# Altium PCB FC_Rev1.0.PcbDoc (continued)
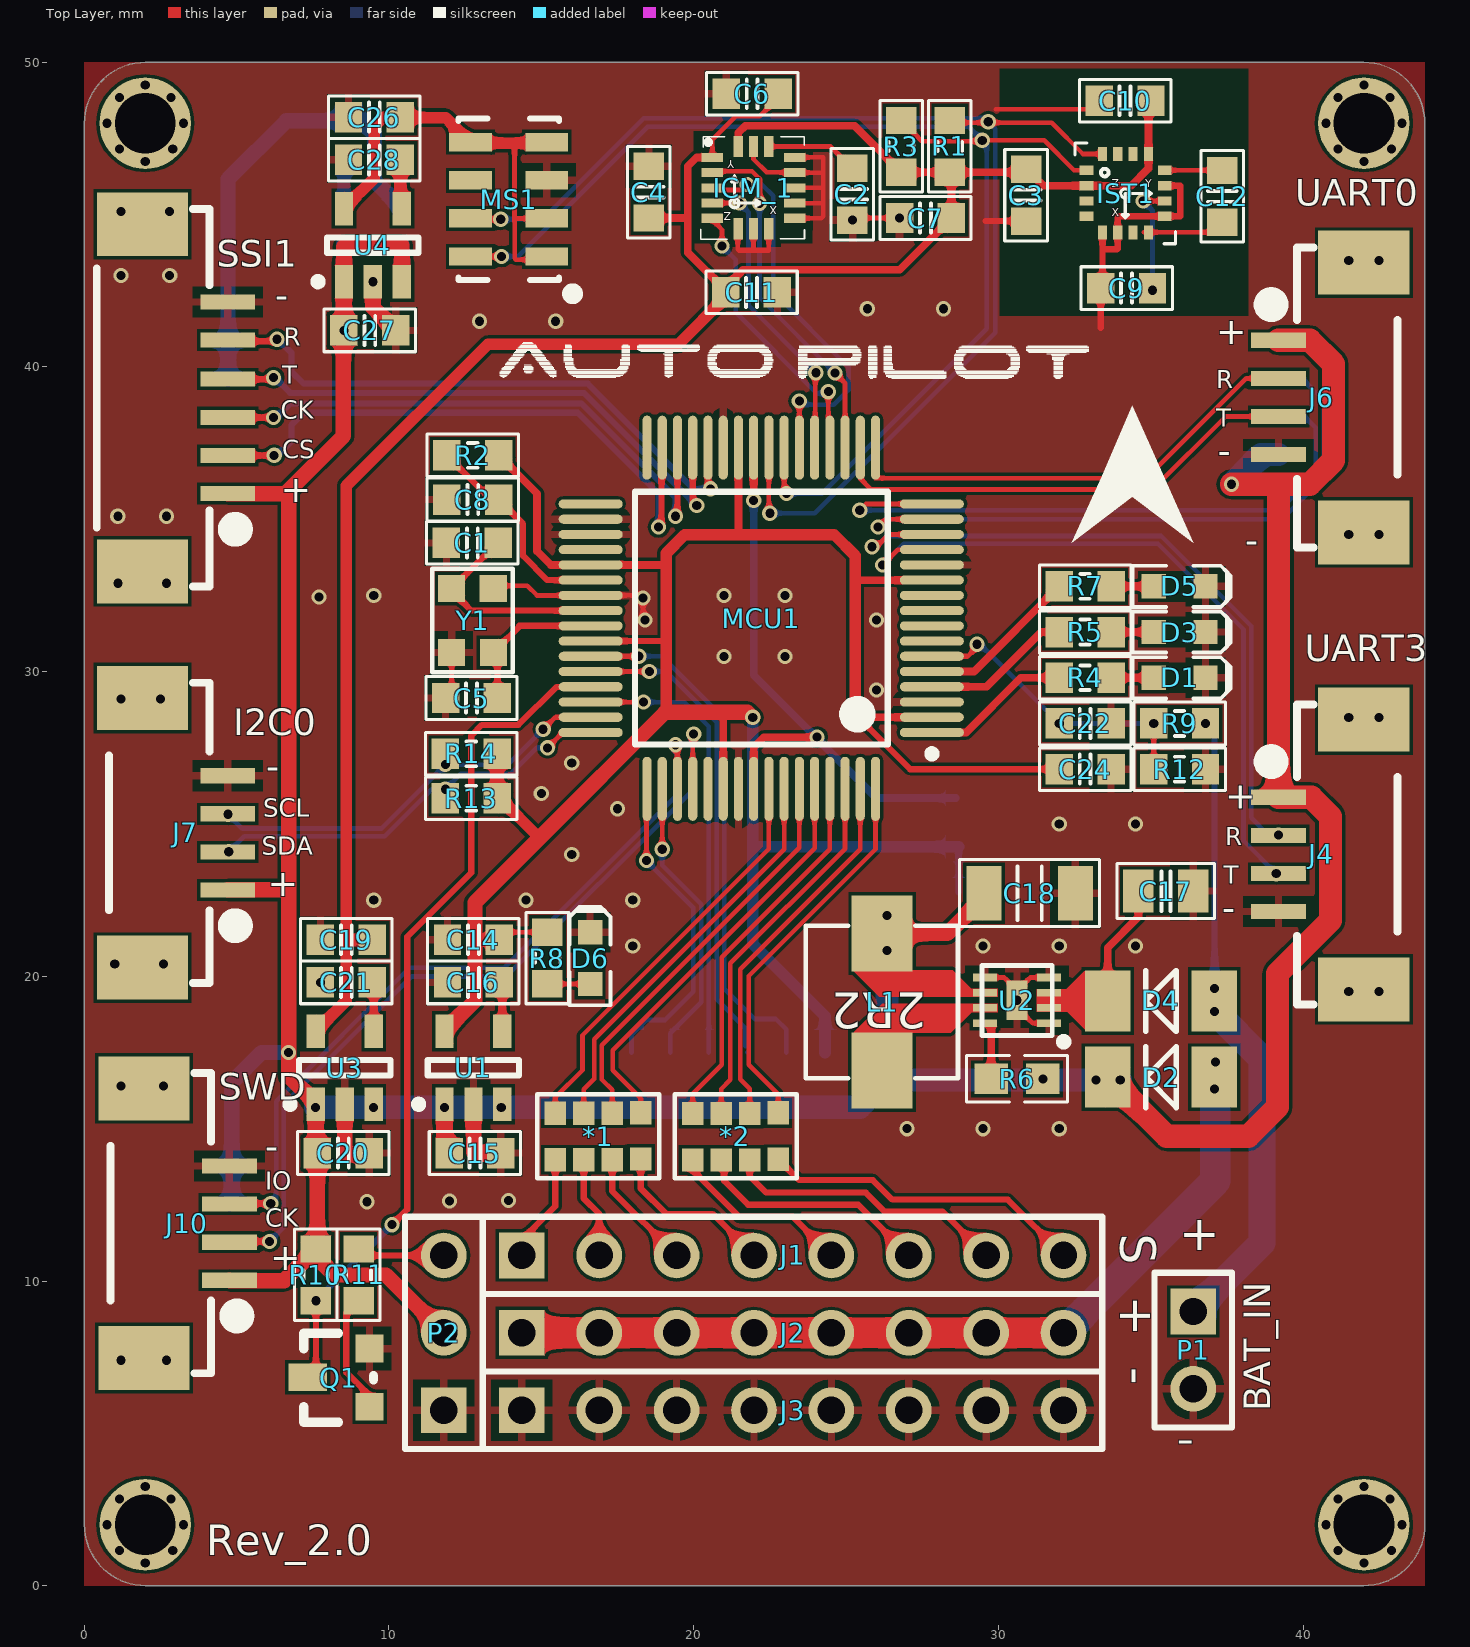
[diagram p0: Top Layer view]
## Footprints (in the part's own frame and the unit in brackets; to place one, negate y for a bottom-side part, rotate by r counter-clockwise, add the part's x,y. Pads: shape width x height; smd on the part's side, far side on the other; paste and mask are expansions set on the pad) (continued)
LGA16 [mm]
  rect 0.7x0.3 smd: 1(-1.397,0.93) 2(-1.397,0.43) 3(-1.397,-0.07) 4(-1.397,-0.57) 5(-1.397,-1.07) 9(1.303,-1.07) 10(1.303,-0.57) 11(1.303,-0.07) 12(1.303,0.43) 13(1.303,0.93)
  rect 0.3x0.7 smd: 6(-0.547,-1.415) 7(-0.047,-1.415) 8(0.453,-1.415) 14(0.453,1.285) 15(-0.047,1.285) 16(-0.547,1.285)
  silkscreen extent -1.77,-1.75 1.63,1.61, body extent -1.41,-1.41 1.29,1.28, height 1
LQFP64 [mm]
  oval 2.1x0.3 smd: 1(-5.219,3.496) 2(-5.219,2.996) 3(-5.219,2.496) 4(-5.219,1.996) 5(-5.219,1.496) 6(-5.219,0.996) 7(-5.219,0.496) 8(-5.219,-0.004) 9(-5.219,-0.504) 10(-5.219,-1.004) 11(-5.219,-1.504) 12(-5.219,-2.004) 13(-5.219,-2.504) 14(-5.219,-3.004) 15(-5.219,-3.504) 16(-5.219,-4.004) 33(5.981,-4.004) 34(5.981,-3.504) 35(5.981,-3.004) 36(5.981,-2.504) 37(5.981,-2.004) 38(5.981,-1.504) 39(5.981,-1.004) 40(5.981,-0.504) 41(5.981,-0.004) 42(5.981,0.496) 43(5.981,0.996) 44(5.981,1.496) 45(5.981,1.996) 46(5.981,2.496) 47(5.981,2.996) 48(5.981,3.496)
  oval 0.3x2.1 smd: 17(-3.369,-5.854) 18(-2.869,-5.854) 19(-2.369,-5.854) 20(-1.869,-5.854) 21(-1.369,-5.854) 22(-0.869,-5.854) 23(-0.369,-5.854) 24(0.131,-5.854) 25(0.631,-5.854) 26(1.131,-5.854) 27(1.631,-5.854) 28(2.131,-5.854) 29(2.631,-5.854) 30(3.131,-5.854) 31(3.631,-5.854) 32(4.131,-5.854) 49(4.131,5.346) 50(3.631,5.346) 51(3.131,5.346) 52(2.631,5.346) 53(2.131,5.346) 54(1.631,5.346) 55(1.131,5.346) 56(0.631,5.346) 57(0.131,5.346) 58(-0.369,5.346) 59(-0.869,5.346) 60(-1.369,5.346) 61(-1.869,5.346) 62(-2.369,5.346) 63(-2.869,5.346) 64(-3.369,5.346)
  silkscreen extent -5.34,-4.4 4.53,4.32, body extent -6.12,-6.78 6.93,6.27, height 1.58
MS5611 [mm]
  rect 1.4x0.6 smd: 1(-1.25,1.875) 2(-1.25,0.625) 3(-1.25,-0.625) 4(-1.25,-1.875) 5(1.25,-1.875) 6(1.25,-0.625) 7(1.25,0.625) 8(1.25,1.875)
  silkscreen extent -2.25,-2.65 1.65,3.25, body extent -1.55,-2.5 1.55,2.5, height 1.01
SMT1.25_4P-90 [mm]
  rect 2.1x3 smd: 0(-4.425,0) 0(4.425,0)
  rect 0.5x1.8 smd: 1(-1.875,-2.8) 2(-0.625,-2.8) 3(0.625,-2.8) 4(1.875,-2.8)
  silkscreen extent -4.92,-3.3 4.92,1.1
SMT1.25_6P-90 [mm]
  rect 2.1x3 smd: 0(-5.735,0.1) 0(5.655,0.1)
  rect 0.5x1.8 smd: 1(-3.185,-2.7) 2(-1.935,-2.7) 3(-0.685,-2.7) 4(0.575,-2.7) 5(1.855,-2.7) 6(3.105,-2.7)
  silkscreen extent -6.23,-3.2 6.16,1.6
SOT23 [mil]
  rect 36x50 smd: 1(5.5,50)
  rect 36x36 smd: 2(-32.5,-30) 3(42.5,-30)
  silkscreen extent -52,-35 62,55, body extent -49,-42 65,68
SOT23-5 [mm]
  rect 1.1x0.6 smd: 1(-1.2,0.95) 2(-1.2,0) 3(-1.2,-0.95) 4(1.2,-0.95) 5(1.2,0.95)
  silkscreen extent -1.32,-1.5 0.25,1.92, body extent -0.87,-1.52 0.87,1.53, height 1.45
TPS62163DSG [mm]
  rect 0.8x0.25 smd: 1(0,0) 2(0,-0.5) 3(0,-1) 4(0,-1.5) 5(2.1,-1.5) 6(2.1,-1) 7(2.1,-0.5) 8(2.1,0)
  rect 0.7x1.3 smd: 9(1.05,-0.75)
  silkscreen extent -0.61,-1.89 2.2,0.74

## Part data
*1 *2: "0603排阻"
C1 C2 C3 C4 C5 C6 C7 C8 C9 C10 C11 C12 C13 C14 C15 C16 C17 C18 C19 C20 C21 C22 C23 C24 C25 C26 C27 C28 C29 C30 C31: "Capacitor"
D2 D4: "1N5819,Low-power general purpose voltageregulator diodes in a small plasticSMD SOD323 package"
J1 J2 J3: library part "Header 8", "Header, 8-Pin"
J4 J5 J6 J7: "UART,SerialPort,TTL,SLAVE"
J8 J9: library part UART_S, "UART,SerialPort,TTL,SLAVE"
J10: "JLINK,SWD"
L1: library part Inductor
P1: library part "Header 2", "Header, 2-Pin"
P2: "接插件"
Q1: "N-AO_3400a"
R1 R3 R4 R5 R7 R8 R9 R10 R11 R12 R13 R14: "Resistor"
R2 R6: library part RES, "0603_R"
U1 U3 U5: library part TPS79330
Y1: library part XTAL, "=Description"
?: "Header, 6-Pin"

## Free pads (board coordinates)
  round 3 hole 2: 0(42,48) 1(2,48) 2(2,2) 3(42,2)

## Via types
v1: diameter 0.5, hole 0.3, Top Layer to Bottom Layer, tented both sides, 163 vias
v2: diameter 0.61, hole 0.305, Top Layer to Bottom Layer, 1 vias

## Nets (pads, with @x,y where several pads share a name; then routed paths per layer and width w, separated by ;. In a path a pad name is that pad's centre, name@x,y a point inside that pad or via, vN(x,y) a via of type N, cw(c..) or ccw(c..) an arc to the next point about the centre after c; other vN are vias at no path point)
ADC_CH0: C22.2 MCU1.6 R9.1 R12.2 | length 10.1
  Top Layer w0.152: MCU1.6 29.004,30.504 29.3,30.8 v1(29.3,30.9) ; R12.2 v1(35.1,28.3)
  Bottom Layer w0.152: v1(29.3,30.9) 29.4,30.9 v1(32,28.3) v1(35.1,28.3)
BEC_5V: D2.1 J2.1 J2.2 J2.3 J2.4 J2.5 J2.6 J2.7 J2.8 | length 28.7
  Top Layer w1: J2.1 J2.2 J2.3 J2.4 J2.5 J2.6 J2.7 J2.8
  Bottom Layer w1: J2.8 37.123,13.283 v1(37.123,17.188)
  other v1: 37.1,16.3
DBUS_IN: MCU1.45 Q1.1 R10.1 | length 28.2
  Top Layer w0.203: Q1.1 7.6,7.11 v1(7.6,9.35) R10.1@7.42,9.17 ; v1(10.1,11.85) 10.6,12.35 10.6,21.3 12.7,23.4 12.7,27.9 13.05,28.25 14.25,28.25 15.5,29.5 MCU1.45@16.7,29.5
  Bottom Layer w0.203: v1(7.6,9.35) v1(10.1,11.85)
GND: *3.8 ?.6 C1.2 C2.2 C3.2 C4.1 C5.2 C6.2 C7.1 C8.1 C9.1 C10.1 C11.1 C13.1 C14.1 C15.1 C16.1 C17.1 C18.1 C19.1 C20.1 C21.1 C22.1 C23.1 C24.1 C25.1 C26.1 C27.1 C28.1 C29.1 C30.1 C31.1 D1.2 D3.2 D5.2 D6.2 ICM_1.6 ICM_1.7 ICM_1.8 ICM_1.9 ICM_1.10 ICM_1.11 ICM_1.12 ICM_1.13 ICM_1.15 IST1.5 IST1.6 IST1.9 IST1.11 J3.1 J3.2 J3.3 J3.4 J3.5 J3.6 J3.7 J3.8 J4.4 J5.4 J6.4 J7.4 J8.3 J8.4 J9.3 J9.4 J10.4 MCU1.3 MCU1.12 MCU1.27 MCU1.34 MCU1.35 MCU1.39 MCU1.55 MS1.3 P1.2 P2.1 Q1.3 R12.1 U1.2 U2.1 U2.4 U2.5 U2.9 U3.2 U4.2 U5.2 Y1.2 Y1.4 | length 44.4
  Top Layer w0.152: C5.2 12.057,29.334 Y1.4 ; Y1.2@13.645,32.819 14.541,32.819 14.86,32.5 MCU1.39@15.9,32.5 ; MCU1.39 18.252,32.504 v1(18.336,32.42) 18.336,31.764 v1(18.4,31.7) ; ICM_1.6 21.446,44.518 21.446,43.866 21.488,43.824 21.961,43.824 ; ICM_1.7 21.963,43.826 21.961,43.824 ; ICM_1.15 21.963,46.817 22.392,46.388 23.305,46.388 ICM_1.12 24.21,46.38 24.25,46.34 ; ICM_1.8 22.463,43.833 22.454,43.824 21.961,43.824 ; ICM_1.9 24.183,44.88 24.25,44.947 24.25,45.417 ; ICM_1.10 24.213,45.38 24.25,45.417 ; ICM_1.11 24.21,45.88 24.25,45.84 ; ICM_1.13 24.25,46.88 24.25,46.34 ; C2.2@24.965,44.575 v1(25.21,44.82) 25.28,44.89 v1(26.76,44.89) ; U2.5 30.197,19.963 30.613,19.547 U2.9@30.613,19.529 ; 29.913,48.465 C10.1@33.455,48.465 ; U2.1 31.126,18.463 30.613,18.976 v2(30.613,19.213) U2.9@30.613,19.529 ; U2.4 31.047,19.963 U2.9@30.613,19.529 ; 33.917,44.909 33.954,44.946 ; IST1.11 IST1.11@35.522,45.89 ; 35.966,44.946 35.97,44.95 ; 24.25,45.417 24.25,45.84 ; 24.25,45.84 24.25,46.34
  Top Layer w0.2: 29.58,44.79 C3.2 ; 33.36,41.287 C9.1
  Top Layer w0.203: C9.1@33.417,42.717 33.417,43.864 ; IST1.5 33.417,43.864 ; 33.917,44.909 IST1.6 33.917,43.883 33.898,43.864 33.417,43.864 ; 33.954,44.946 IST1.9 35.966,44.946 ; IST1.11 35.97,45.95 35.97,44.95
  Top Layer w0.5: U3.2 8.55,14.15 9.3,14.15 C20.1 ; v1(9.47,42.8) 9.47,41.95 C27.1 ; U1.2 U1.2 12.773,14.227 12.8,14.2 C15.1
  other v1: 9.28,12.6 11.99,12.63 13.92,12.64 27,15 29.5,15 32,15 7.75,19.8 1,20.4 2.6,20.4 18,21 29.5,21 32,21 34.5,21 9.5,22.5 14.5,22.5 18,22.5 16,24 32,25 34.5,25 17.5,25.5 15,26 16,27 1.2,29.1 2.5,29.1 26,29.4 21,30.5 23,30.5 26,31.7 7.7,32.45 9.5,32.5 21,32.5 23,32.5 1.1,32.9 2.7,32.9 1.1,35.1 2.7,35.1 12.97,41.5 15.47,41.5 25.7,41.91 28.2,41.91 1.2,43 2.8,43 1.2,45.1 2.8,45.1
I2C0_SCL: J7.3 MCU1.47 R14.1 | length 13.6
  Top Layer w0.152: v1(15.06,28.11) 15.454,28.504 MCU1.47
  Bottom Layer w0.152: v1(4.72,25.32) 5.19,24.85 9.75,24.85 v1(11.85,26.95) 13.9,26.95 v1(15.06,28.11)
I2C0_SDA: J7.2 MCU1.48 R13.1 | length 13.5
  Top Layer w0.152: v1(15.2,27.5) 15.704,28.004 MCU1.48
  Bottom Layer w0.152: v1(4.74,24.09) 5.246,24.596 9.855,24.596 11.399,26.14 v1(11.85,26.14) 12.36,26.65 14,26.65 14.85,27.5 v1(15.2,27.5)
IMU_CLK: ICM_1.2 MCU1.19 | length 11.8
  Top Layer w0.152: ICM_1.2 20.633,46.36 20.703,46.43 21.915,46.43 22.157,46.187 22.16,46.19 22.16,46.185 22.178,46.167 22.178,45.388 v1(22.16,45.37) ; v1(24.64,39.8) 24.969,39.471 MCU1.19 MCU1.19@25.02,37.405
  Bottom Layer w0.152: v1(22.16,45.37) 22.16,42.28 v1(24.64,39.8)
IMU_ICM_FSS: ICM_1.5 MCU1.20 | length 9.4
  Top Layer w0.152: ICM_1.5 20.613,44.82 20.93,44.503 v1(20.93,43.97) ; v1(24.42,39.19) 24.42,37.403 MCU1.20
  Bottom Layer w0.152: v1(20.93,43.97) 21.38,43.52 21.38,41.79 24.04,39.13 24.36,39.13 v1(24.42,39.19)
IMU_MISO: ICM_1.4 MCU1.21 | length 9.3
  Top Layer w0.152: ICM_1.4@20.803,45.38 v1(21.5,45.38) ; ICM_1.4@20.803,45.39 ICM_1.4@20.823,45.41 ; MCU1.21 23.97,37.355 23.94,37.385 MCU1.21@24.01,37.455 ; MCU1.21@23.992,38 23.992,39.792 v1(24.01,39.81)
  Bottom Layer w0.152: v1@21.494,45.39 21.5,45.384 v1(21.5,45.38) 21.8,45.08 21.8,42.02 v1(24.01,39.81)
IMU_MOSI: ICM_1.3 MCU1.22 | length 13
  Top Layer w0.152: ICM_1.3 20.683,45.81 21.57,45.81 v1(21.75,45.99) ; MCU1.22 v1(23.469,38.881)
  Bottom Layer w0.152: v1(21.75,45.99) 22.24,45.99 22.61,45.62 22.61,42.47 25.08,40 25.08,39.245 24.597,38.762 23.588,38.762 v1(23.469,38.881)
IMU_SCL: IST1.1 MCU1.23 MS1.8 R3.2 | length 42.3
  Top Layer w0.152: MS1.8@12.67,43.625 v1(13.695,43.625) ; MCU1.23 22.969,35.719 v1(23.05,35.85) ; R3.2 27.492,47.408 v1@29.54,47.408 ; v1(29.47,47.44) 31.501,47.44 32.483,46.458 IST1.1@32.742,46.458
  Bottom Layer w0.152: v1(13.695,43.625) 14.225,43.625 18.486,47.886 29.024,47.886 v1(29.47,47.44) 29.62,47.29 29.62,41.25 24.22,35.85 v1(23.05,35.85)
IMU_SDA: IST1.16 MCU1.24 MS1.7 R1.1 | length 43.1
  Top Layer w0.152: MS1.7@12.67,44.875 12.695,44.85 v1(13.67,44.85) ; MCU1.24 22.469,35.231 v1(22.5,35.2) ; R1.1 28.603,48.283 28.867,48.02 31.75,48.02 32.779,46.991 IST1.16
  Bottom Layer w0.152: v1(13.67,44.85) 15.04,44.85 18.36,48.17 29.55,48.17 v1(29.67,48.05) 29.898,47.822 29.898,41.128 23.97,35.2 v1(22.5,35.2)
IMU_VCC: C3.1 C4.2 C6.1 C7.2 C10.2 C11.2 C19.2 ICM_1.1 ICM_1.16 IST1.2 IST1.13 R1.2 R3.1 U3.5 | length 71.5
  Top Layer w0.152: ICM_1.1 20.613,47.463 21.375,48.225 22.175,48.225 22.78,48.83 C6.1@22.78,49.06
  Top Layer w0.254: C4.2@18.71,44.89 19.81,44.89 ; ICM_1.1 20.1,46.88 19.81,46.59 19.81,44.89 ; ICM_1.16 21.463,47.683 21.7,47.92 25.28,47.92 R3.1 R1.2 ; IST1.2@32.882,45.94 IST1.2 ; C10.2@34.96,48.54 34.929,48.509 IST1.13 34.929,46.519 34.36,45.95 IST1.2 ; 19.81,44.89 19.81,43.76 20.995,42.575 21.611,43.191 26.761,43.191 C7.2 28.46,46.34 R1.2 ; R1.2 31.03,46.39 31.47,45.95 IST1.2
  Top Layer w0.381: U3.5 8.6,19.2 8.6,21.25 ; C19.2 8.65,21.2 8.6,21.25 ; C11.2 21.05,42.3 19.5,40.75 13.25,40.75 8.6,36.1 8.6,21.25
LED_B: MCU1.5 R7.1 | length 5.3
  Top Layer w0.254: MCU1.5 29.204,30.004 R7.1
LED_G: MCU1.4 R5.1 | length 4.9
  Top Layer w0.254: MCU1.4 29.611,29.504 31.407,31.3 R5.1
LED_R: MCU1.1 R4.1 | length 4.9
  Top Layer w0.254: MCU1.1 28.945,28.004 30.741,29.8 R4.1
Net*1_5: *1.5 J1.1 | length 3.6
  Top Layer w0.203: J1.1 14.36,11.36 15.456,12.456 *1.5
Net*1_6: *1.6 J1.2 | length 3.4
  Top Layer w0.203: *1.6 16.392,12.708 16.9,12.2 J1.2
Net*1_7: *1.7 J1.3 | length 4
  Top Layer w0.203: *1.7 17.328,12.952 J1.3
Net*1_8: *1.8 J1.4 | length 5.6
  Top Layer w0.203: *1.8 18.264,13.036 19.1,12.2 20.62,12.2 J1.4
Net*2_5: *2.5 J1.5 | length 6.1
  Top Layer w0.203: *2.5 19.967,13.633 21.49,12.11 23.25,12.11 J1.5
Net*2_6: *2.6 J1.6 | length 7.8
  Top Layer w0.203: *2.6 20.999,13.88 20.999,13.287 21.786,12.5 25.4,12.5 J1.6
Net*2_7: *2.7 J1.7 | length 9.4
  Top Layer w0.203: *2.7 21.839,13.438 22.377,12.9 25.646,12.9 26.275,12.271 28.169,12.271 J1.7
Net*2_8: *2.8 J1.8 | length 10.7
  Top Layer w0.203: *2.8 23.458,13.312 25.885,13.312 26.525,12.672 30.308,12.672 J1.8
NetC2_1: C2.1 ICM_1.14 | length 3
  Top Layer w0.152: ICM_1.14 24.495,47.235 C2.1
NetC9_2: C9.2 IST1.10 | length 3.8
  Top Layer w0.152: v1(34.754,45.446) IST1.10
  Bottom Layer w0.152: v1(34.754,45.446) 35.06,45.14 v1(35.06,42.52)
NetC12_1: C12.1 IST1.8 | length 2.8
  Top Layer w0.152: IST1.8@34.779,44.421 IST1.8 36.941,44.421 C12.1@37.36,44.84
NetC12_2: C12.2 IST1.12 | length 2.1
  Top Layer w0.152: IST1.12@35.312,46.458 IST1.12 37.278,46.458 C12.2@37.36,46.54
NetC16_2: C16.2 U1.4 | length 1.6
  Top Layer w0.254: C16.2 13.721,19.7 U1.4
NetC17_2: C17.2 D4.2 U2.2 U2.3 | length 3.9
  Top Layer w0.254: D4.2 33.587,20.94 34.6,21.953 C17.2@34.6,22.7
NetC21_2: C21.2 U3.4 | length 1.6
  Top Layer w0.254: C21.2 9.5,19.75 U3.4
NetC28_2: C28.2 U4.4 | length 1.6
  Top Layer w0.381: C28.2 10.37,45.25 U4.4
NetC31_2: C31.2 U5.4 | length 1.7
  Bottom Layer w0.381: U5.4 8.52,46.65 C31.2
NetD1_1: D1.1 R4.2 | length 1.4
  Top Layer w0.254: R4.2 D1.1
NetD3_1: D3.1 R5.2 | length 1.4
  Top Layer w0.254: R5.2 D3.1
NetD5_1: D5.1 R7.2 | length 1.4
  Top Layer w0.254: R7.2 D5.1
NetD6_1: D6.1 R8.2 | length 1.4
  Top Layer w0.152: R8.2 D6.1
NetL1_1: L1.1 U2.7
NetP2_3: P2.3 R11.1 | length 2.9
  Top Layer w0.203: R11.1 9.21,10.84 P2.3
NetQ1_2: Q1.2 R11.2 | length 3.8
  Top Layer w0.203: R11.2@8.9,9.25 8.6,8.95 8.6,7 9.362,6.238 Q1.2
NetR6_1: R6.1 U2.8 | length 1.8
  Top Layer w0.254: R6.1 U2.8@29.763,18.436
NRF_CE: *3.2 MCU1.43 | length 17.4
  Top Layer w0.152: MCU1.43 v1(18.196,30.504)
  Bottom Layer w0.152: v1(18.196,30.504) 18.955,30.504 21.008,28.451 21.008,19.592 22,18.6 22.7,18.6 23.04,18.26 *3.2
NRF_CSN: *3.3 MCU1.44 | length 15.9
  Top Layer w0.152: MCU1.44 v1(18.546,30.004)
  Bottom Layer w0.152: v1(18.546,30.004) 19.096,30.004 20.754,28.346 20.754,19.246 21.7,18.3 *3.3@21.7,17.7 ; *3.3@21.766,17.504 *3.3
NRF_MISO: *3.6 MCU1.49 | length 10.5
  Top Layer w0.152: v1(18.45,23.8) 18.45,26.135 MCU1.49
  Bottom Layer w0.152: *3.6 17.96,18.06 18.468,18.568 19.068,18.568 19.992,19.492 19.992,22.258 v1(18.45,23.8)
NRF_MOSI: *3.5 MCU1.50 | length 9.6
  Top Layer w0.152: v1(18.969,24.169) MCU1.50
  Bottom Layer w0.152: v1(18.969,24.169) 18.969,23.64 20.246,22.363 20.246,19.146 19.23,18.13 *3.5
NRF_SCK: *3.4 MCU1.46 | length 14.9
  Top Layer w0.152: MCU1.46 16.623,29 v1(18.35,29)
  Bottom Layer w0.152: v1(18.35,29) 19.7,29 20.5,28.2 *3.4
OSC0: C1.1 MCU1.40 Y1.3 | length 6.8
  Top Layer w0.203: Y1.3 13.559,34.227 C1.1 ; Y1.3@12.15,32.55 12.696,32.004 MCU1.40
OSC1: C5.1 MCU1.41 Y1.1 | length 5.1
  Top Layer w0.203: C5.1 13.558,30.503 Y1.1 14.277,31.48 14.277,31.504 MCU1.41
PWM1: *2.1 MCU1.64 | length 12.8
  Top Layer w0.152: *2.1 22.775,16.134 21.812,17.097 21.812,20.012 25.969,24.169 MCU1.64
PWM2: *2.2 MCU1.63 | length 12.4
  Top Layer w0.152: *2.2 21.839,16.311 21.533,16.617 21.533,20.233 25.469,24.169 MCU1.63
PWM3: *2.3 MCU1.62 | length 12.3
  Top Layer w0.152: *2.3 20.903,16.303 21.202,16.602 21.202,20.424 24.969,24.191 MCU1.62
PWM4: *2.4 MCU1.61 | length 12.5
  Top Layer w0.152: *2.4 19.967,16.141 20.923,17.097 20.923,20.623 24.469,24.169 MCU1.61
PWM5: *1.1 MCU1.60 | length 13.8
  Top Layer w0.152: *1.1 18.264,15.997 17.342,16.919 17.342,17.58 23.969,24.207 MCU1.60
PWM6: *1.2 MCU1.59 | length 13.5
  Top Layer w0.152: *1.2 17.328,16.272 16.986,16.614 16.986,17.732 23.469,24.215 MCU1.59
PWM7: *1.3 MCU1.58 | length 13.4
  Top Layer w0.152: *1.3 16.392,16.292 16.732,16.632 16.732,17.935 22.969,24.172 MCU1.58
PWM8: *1.4 MCU1.57 | length 13.6
  Top Layer w0.152: *1.4 15.456,16.024 16.351,16.919 16.351,18.062 22.469,24.18 MCU1.57
RESET: C8.2 MCU1.38 R2.1 | length 7
  Top Layer w0.203: R2.1 13.35,35.65 C8.2 14.4,34.85 14.4,33.8 15.196,33.004 MCU1.38
SSI1_CLK: ?.3 MCU1.30 | length 19
  Top Layer w0.203: ?.3@4.72,38.345 6.205,38.345 v1(6.21,38.34) ; v1(19.4,35.1) 19.469,35.169 MCU1.30
  Bottom Layer w0.203: v1@6.27,38.31 6.76,38.8 16.319,38.8 19.4,35.719 v1(19.4,35.1)
SSI1_FSS: ?.2 MCU1.31 | length 19.8
  Top Layer w0.203: ?.2@4.72,37.095 6.225,37.095 v1(6.23,37.1) ; v1(18.85,34.75) 18.947,34.847 18.947,37.332 MCU1.31
  Bottom Layer w0.203: v1@6.32,37.09 6.8,37.57 6.8,38.1 7.195,38.495 16.193,38.495 18.85,35.838 v1(18.85,34.75)
SSI1_MISO: ?.5 MCU1.28 | length 19.5
  Top Layer w0.203: ?.5@4.72,40.845 6.255,40.845 v1(6.32,40.91) ; MCU1.28 20.469,36.081 v1(20.55,36)
  Bottom Layer w0.203: v1@6.45,40.82 6.8,40.47 6.8,39.85 7.195,39.455 16.526,39.455 19.981,36 v1(20.55,36)
SSI1_MOSI: ?.4 MCU1.29 | length 19
  Top Layer w0.203: ?.4@4.72,39.595 6.155,39.595 v1(6.21,39.65) ; MCU1.29 19.969,35.581 v1(20.1,35.45)
  Bottom Layer w0.203: v1@6.29,39.62 6.76,39.15 16.4,39.15 v1(20.1,35.45)
SWCLK: J10.2 MCU1.52 | length 27.4
  Top Layer w0.152: J10.2 J10.2@4.775,11.29 ; MCU1.52 19.969,27.919 v1(20,27.95)
  Top Layer w0.203: J10.2@4.775,11.29 4.855,11.37 4.925,11.3 v1(6.08,11.3)
  Bottom Layer w0.152: v1(6.08,11.3) 6.548,11.768 6.548,15.798 10.746,19.996 13.855,19.996 19.95,26.091 v1@19.95,27.9
SWDIO: J10.3 MCU1.51 | length 25.2
  Top Layer w0.152: J10.3 J10.3@4.775,12.54 ; v1(19.4,27.6) 19.469,27.531 MCU1.51 MCU1.51@19.45,26.135
  Top Layer w0.203: J10.3@4.775,12.54 v1(6.12,12.54)
  Bottom Layer w0.152: v1(6.12,12.54) 6.294,12.714 6.294,15.903 10.672,20.282 13.782,20.282 19.45,25.95 v1@19.45,27.55
U0RXD: J6.2 MCU1.17 | length 15.6
  Top Layer w0.152: MCU1.17 25.969,36.403 26.022,36.35 34.86,36.35 38.135,39.625 J6.2
U0TXD: J6.3 MCU1.18 | length 15.9
  Top Layer w0.152: MCU1.18 25.469,36.331 25.819,35.981 35.071,35.981 37.465,38.375 J6.3
U1RXD: J5.2 MCU1.16 | length 20.4
  Top Layer w0.152: v1(25.45,35.3) 25.654,35.504 MCU1.16
  Bottom Layer w0.152: v1(25.45,35.3) 39.22,35.3 40.42,36.5 40.42,38 J5.2@40.04,38.38 ; J5.2@38.735,38.375 J5.2
U1TXD: J5.3 MCU1.15 | length 20.8
  Top Layer w0.152: v1(26.05,34.75) 26.304,35.004 MCU1.15
  Bottom Layer w0.152: v1(26.05,34.75) 26.3,35 39.31,35 40.69,36.38 40.69,38.9 J5.3@39.91,39.68
U3RXD: J4.2 MCU1.14 | length 23.4
  Top Layer w0.152: v1(25.85,34.1) 26.005,34.1 26.409,34.504 MCU1.14
  Bottom Layer w0.152: v1(25.85,34.1) 26.005,34.1 26.359,34.454 35.346,34.454 38.3,31.5 38.3,25.2 38.86,24.64 v1(39.2,24.64)
U3TXD: J4.3 MCU1.13 | length 23.6
  Top Layer w0.152: v1(26.2,33.5) 26.704,34.004 MCU1.13
  Bottom Layer w0.152: v1(26.2,33.5) 26.9,34.2 35.241,34.2 38.046,31.395 38.046,24.444 v1(39.12,23.37)
VCC_3V0: C26.2 MS1.1 MS1.2 MS1.4 MS1.5 U4.5 | length 14.8
  Top Layer w0.152: 14.12,47.35 14.12,44.875 ; MS1.1@15.17,43.625 15.07,43.525 14.162,43.525 14.123,43.564 14.123,44.772 14.12,44.775 14.12,44.875 ; MS1.2@15.17,44.875 14.12,44.875
  Top Layer w0.381: U4.5 9.52,46.2 9.52,47.9 9.82,48.2 C26.2 ; C26.2@10.37,48.187 11.858,48.187 12.695,47.35 14.12,47.35 MS1.4@14.82,47.35
VCC_3V3: *3.1 C14.2 C23.2 C24.2 C25.2 MCU1.2 MCU1.11 MCU1.26 MCU1.37 MCU1.42 MCU1.54 R2.2 R8.1 R13.2 R14.2 U1.5 | length 88.1
  Top Layer w0.152: C14.2 13.871,21.45 R8.1
  Top Layer w0.203: MCU1.42 19.096,31.004 19.1,31 ; 25.4,28.504 27.104,26.8 C24.2
  Top Layer w0.254: R2.2 14.86,35.84 14.86,33.95 15.306,33.504 MCU1.37 19.096,33.504 19.1,33.5 ; 20.9,28.5 20.969,28.431 MCU1.54 ; MCU1.26 21.469,34.531 21.5,34.5 ; 21.969,34.531 22,34.5 ; 25.3,33.1 25.396,33.004 MCU1.11 ; 25.4,28.504 MCU1.2
  Top Layer w0.381: 12.819,21.2 C14.2 ; R14.2 R13.2 13.63,25.85 14.94,24.54 ; 19.1,28.667 19.1,31 19.1,33.5 19.1,33.891 19.709,34.5 21.5,34.5 22,34.5 24.607,34.5 25.3,33.807 25.3,33.1 25.3,28.604 25.4,28.504 ; v1(21.938,28.5) v1@21.969,28.469
  Top Layer w0.5: U1.5 12.819,19.198 12.819,21.2 12.819,22.419 14.94,24.54 19.067,28.667 19.1,28.667 21.771,28.667 v1(21.938,28.5)
  Bottom Layer w0.203: C23.2 C25.2
  Bottom Layer w0.381: v1(21.938,28.5) 21.938,24.35 ; *3.1 24.31,18.69 21.938,21.062 21.938,24.35 ; C25.2 22.038,24.25 21.938,24.35
VCC_3V3_EXT: C29.2 J8.1 J8.2 U5.5 | length 14.4
  Bottom Layer w0.5: J8.2 J8.1 4.72,46.17 6.63,48.08 7.86,48.08 ; C29.2 8.97,48.2 9.52,47.65 9.52,46.1 U5.5
VCC_5VBUS: ?.1 C15.2 C18.2 C20.2 C27.2 C30.2 D2.2 J4.1 J5.1 J6.1 J7.1 J9.1 J9.2 J10.1 L1.2 P2.2 R6.2 R10.2 U1.1 U1.3 U2.6 U3.1 U3.3 U4.1 U4.3 U5.1 U5.3 | length 140.1
  Top Layer w0.5: R10.2 7.6,10.8 8.2,10.2 9.9,10.2 P2.2
  Top Layer w0.508: J7.1 6.691,22.835 6.716,22.81 ; ?.1 6.605,35.845 6.716,35.956 ; J10.1 4.775,10.01 6.56,10.01 R10.2 7.65,11.1 C20.2 7.6,14.25 7.6,15.834 6.716,16.719 6.716,22.81 ; C27.2@8.5,41.245 8.5,37.74 6.716,35.956 ; v1(8.52,41.2) U4.1 8.52,43.95 8.57,44 10.42,44 U4.3 ; C15.2@11.821,14.35 v1(11.821,15.7) ; L1.2 28.328,21.406 C18.2@29.656,22.734 ; 6.716,22.81 6.716,35.956
  Top Layer w0.762: D2.2 35.531,14.75 38.2,14.75 39.16,15.71 39.16,20.09 40.9,21.83 40.9,25.25 40.275,25.875 J4.1 39.2,36.15 ; v1(37.65,36.15) 39.2,36.15 ; J6.1 40.225,40.875 41,40.1 41,36.93 40.22,36.15 39.2,36.15
  Bottom Layer w0.508: J9.2 4.84,12.625 4.84,16.52 5.82,17.5 v1(6.7,17.5) ; v1(8.52,41.2) U5.3 8.52,44.05 10.42,44.05 U5.1
  Bottom Layer w0.762: v1(7.588,15.7) v1(9.493,15.7) v1(11.821,15.7) v1(13.684,15.7) 25.45,15.7 26.35,16.6 ; v1(26.35,22) v1(26.35,20.85) 26.35,16.6 ; v1(34,16.6) v1(33.2,16.6) 26.35,16.6 ; v1(37.65,36.15) 38.625,37.125 J5.1
  other v1: 31.463,16.633
VCC_BAT: D4.1 P1.1 R9.2 | length 21
  Bottom Layer w0.203: v1(36.8,28.3) 37.1,28 v1(37.1,19.6)
  Bottom Layer w0.889: P1.1@36.725,8.865 36.725,9.325 38.65,11.25 38.65,17.3 v1(37.1,18.85) v1(37.1,19.6)
VDDC: C13.2 MCU1.25 MCU1.56 | length 19.4
  Top Layer w0.254: MCU1.56 21.969,27.519 22.3,27.85 v1(24.05,27.85) ; v1(21.969,35.619) MCU1.25
  Bottom Layer w0.254: v1(21.969,35.619) 21.969,29.881 26,25.85 C13.2@28.6,25.85
pads on no net: *3.7 *3.9 *3.10 ?.0 IST1.3 IST1.4 IST1.7 IST1.14 IST1.15 J4.0 J5.0 J6.0 J7.0 J8.0 J9.0 J10.0 MCU1.7 MCU1.8 MCU1.9 MCU1.10 MCU1.32 MCU1.33 MCU1.36 MCU1.53 MS1.6
copper on no net:
  other v1: 2,0.75 42,0.75 1.15,1.15 2.9,1.15 41.15,1.15 42.9,1.15 0.75,2 3.25,2 40.75,2 43.25,2 1.15,2.85 2.85,2.85 41.15,2.85 42.85,2.85 2,3.25 42,3.25 1.2,7.4 2.7,7.4 1.2,16.4 2.6,16.4 41.5,19.5 42.5,19.5 41.5,28.5 42.5,28.5 41.5,34.5 42.5,34.5 41.5,43.5 42.5,43.5 2,46.75 42,46.75 1.15,47.15 2.9,47.15 41.15,47.15 42.9,47.15 0.75,48 3.25,48 40.75,48 43.25,48 1.15,48.85 2.85,48.85 41.15,48.85 42.85,48.85 2,49.25 42,49.25

## Polygon pours and split planes (outlines as drawn)
GND on Bottom Layer "Bottom Layer-No Net" (solid, remove dead copper, pour order 10): 0,50 44,50 44,0 0,0 0,50
GND on Top Layer "Bottom Layer-No Net" (solid, remove dead copper, pour order 12): 0,50 44,50 44,0 0,0 0,50

## Other copper
Top Layer:
  region net NetC17_2: 31.266,19.584 32.245,19.59 32.825,20.17 34.267,20.17 34.267,18.272 32.837,18.266 32.265,18.838 31.266,18.838
  region net NetL1_1: 25.235,18.143 26.185,19.093 29.973,19.093 29.973,18.824 29.124,18.824 28.443,18.143
  region net VCC_5VBUS: 26.089,19.332 29.973,19.332 29.973,19.589 29.111,19.589 28.5,20.2 25.222,20.2
  pour cut-out: 38.21,49.79 38.21,41.69 30.05,41.69 30.05,49.79
  pour cut-out: 20.01,47.74 23.91,47.74 23.91,44.04 20.01,44.04
Bottom Layer:
  pour cut-out: 38.21,49.79 38.21,41.69 30.05,41.69 30.05,49.79

## Silkscreen, mask and mechanical layers (free items; w line width, h text height)
Top Overlay:
  drawing of 361 lines, arcs and shapes, not listed
  text "UART0" at 39.75,45 h1.5
  text "SSI1" at 4.35,43 h1.5
  text "-" at 6.27,41.65 h1.5
  text "R" at 6.55,40.5 h1
  text "+" at 37.15,40.45 h1.5
  text "T" at 6.5,39.25 h1
  text "R" at 37.15,39.1 h1
  text "CK" at 6.45,38.1 h1
  text "T" at 37.15,37.85 h1
  text "CS" at 6.5,36.8 h1
  text "-" at 37.2,36.55 h1.5
  text "+" at 6.44,35.26 h1.5
  text "-" at 38.1,33.61 h1.5
  text "UART3" at 40.05,30.05 h1.5
  text "I2C0" at 4.89,27.61 h1.5
  text "-" at 5.97,26.19 h1.5
  text "+" at 37.45,25.2 h1.5
  text "SCL" at 5.87,25.04 h1
  text "R" at 37.45,24.1 h1
  text "SDA" at 5.82,23.79 h1
  text "T" at 37.4,22.85 h1
  text "+" at 6.02,22.34 h1.5
  text "-" at 37.35,21.55 h1.5
  text "SWD" at 4.411,15.652 h1.5
  text "-" at 5.944,13.716 h1.5
  text "IO" at 5.944,12.802 h1
  text "CK" at 5.944,11.582 h1
  text "S  +  -" at 33.6,11.55 h2 r270
  text "+" at 35.93,10.62 h2
  text "+" at 6.096,10.058 h1.5
  text "BAT_IN" at 39.22,5.72 h1.5 r90
  text "-" at 35.86,3.91 h2
  text "Rev_2.0" at 4,1 h1
Bottom Overlay:
  region: 22.227,44.9 21.227,42.6 20.227,40.4 22.227,41.9 24.227,40.4
  text "UART1" at 43.35,45 h1.5
  text "EXT_3V3" at 5.613,44.893 h1.5
  text "-" at 37.6,40.35 h1
  text "3v3" at 7.481,39.887 h1
  text "T" at 37.6,39.15 h1
  text "R" at 37.6,37.85 h1
  text "GND" at 7.46,37.355 h1
  text "+" at 37.15,36.6 h1.5
  text "EXT_5V" at 4.872,17.779 h1.5
  text "AUTOPILOT" at 7.467,15.957 h3 r270
  text "By ZZY" at 39.435,15.732 h1.3 r270
  text "2019/3/12" at 37.735,14.782 h1.3 r270
  text "5V" at 7.025,12.822 h1
  text "SWUSTESLAB" at 41.135,12.632 h2 r270
  text "TM4C123G_FC_V2.0" at 35.685,11.432 h1.5 r270
  text "GND" at 7.354,10.36 h1
  text "PWM1" at 13.6,0.4 h2 r270
  text "PWM2" at 16.1,0.4 h2 r270
  text "DBUS" at 11.15,0.35 h2 r270
  text "PWM3" at 18.7,0.35 h2 r270
  text "PWM4" at 21.3,0.35 h2 r270
  text "PWM5" at 23.8,0.35 h2 r270
  text "PWM6" at 26.3,0.35 h2 r270
  text "PWM7" at 28.9,0.35 h2 r270
  text "PWM8" at 31.4,0.35 h2 r270
Bottom Solder:
  rectangle: 29,17.9 32.3,20.5
Mechanical 1:
  lines w0.4: 0,1.935 0,48 cw(c2,48) 2,50 42,50 cw(c42,48) 44,48 44,2 cw(c42,2) 42,0 2,0 cw(c2,2) 0,2

## Text inside footprints (layer, text, board x,y; h text height)
*3: Bottom Overlay "E01-ML01SP4" at 19.917,23.454 h0.9 r270; Bottom Overlay "VDD" at 23.917,19.564 h0.8 r270; Bottom Overlay "GND" at 24.997,27.864 h0.8 r270; Bottom Overlay "CE" at 22.657,19.644 h0.8 r270; Bottom Overlay "CSN" at 21.407,19.644 h0.8 r270; Bottom Overlay "SCK" at 20.087,19.664 h0.8 r270; Bottom Overlay "MOSI" at 18.807,19.684 h0.8 r270; Bottom Overlay "MISO" at 17.507,19.734 h0.8 r270; Bottom Overlay "IRQ" at 16.197,19.714 h0.8 r270; Bottom Overlay "GND" at 15.017,19.564 h0.8 r270; Bottom Overlay "GND" at 14.007,28.264 h0.8 r270
ICM_1: Top Overlay "X" at 22.747,45.279 h0.26 r180; Top Overlay "Y" at 21.34,46.788 h0.26 r180; Top Overlay "Z" at 21.24,45.079 h0.26 r180
IST1: Top Overlay "X" at 33.717,44.946 h0.26; Top Overlay "Y" at 34.827,45.899 h0.26; Top Overlay "Z" at 33.717,45.899 h0.26
L1: Top Overlay "2R2" at 27.628,19.858 h2 r180